# Altium PCB PCB.PcbDoc
Units mm, origin at the board's own origin, x right, y up, seen from the top; angles counter-clockwise.
Board outline 100 x 100 mm, 2 copper layers (Top Layer, Bottom Layer); 68 components, 64 nets, 246 pads, 37 vias.
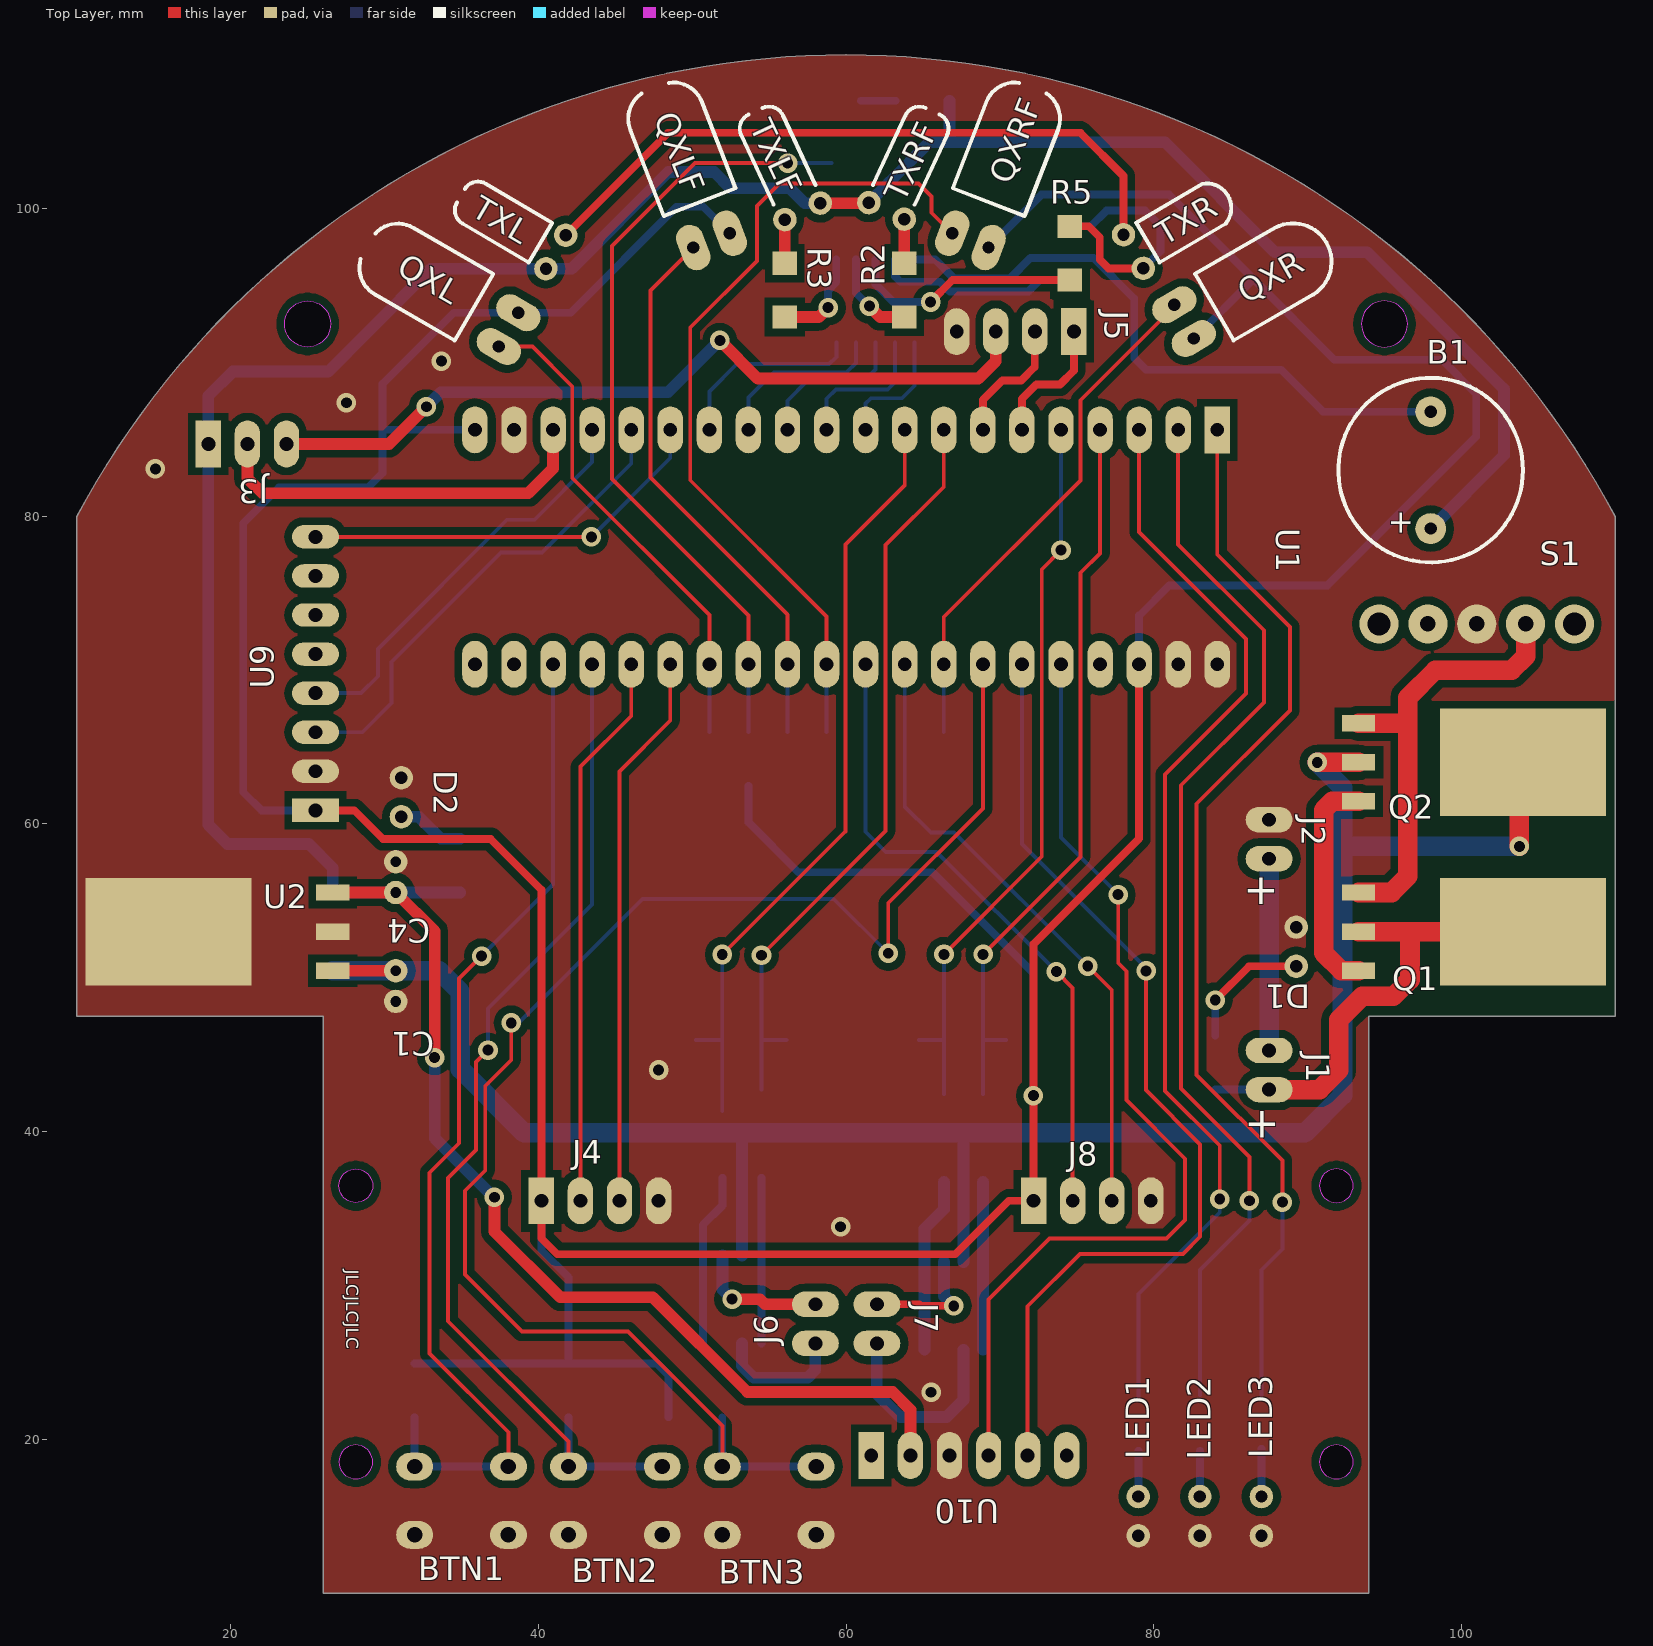
[diagram p0: Top Layer view]
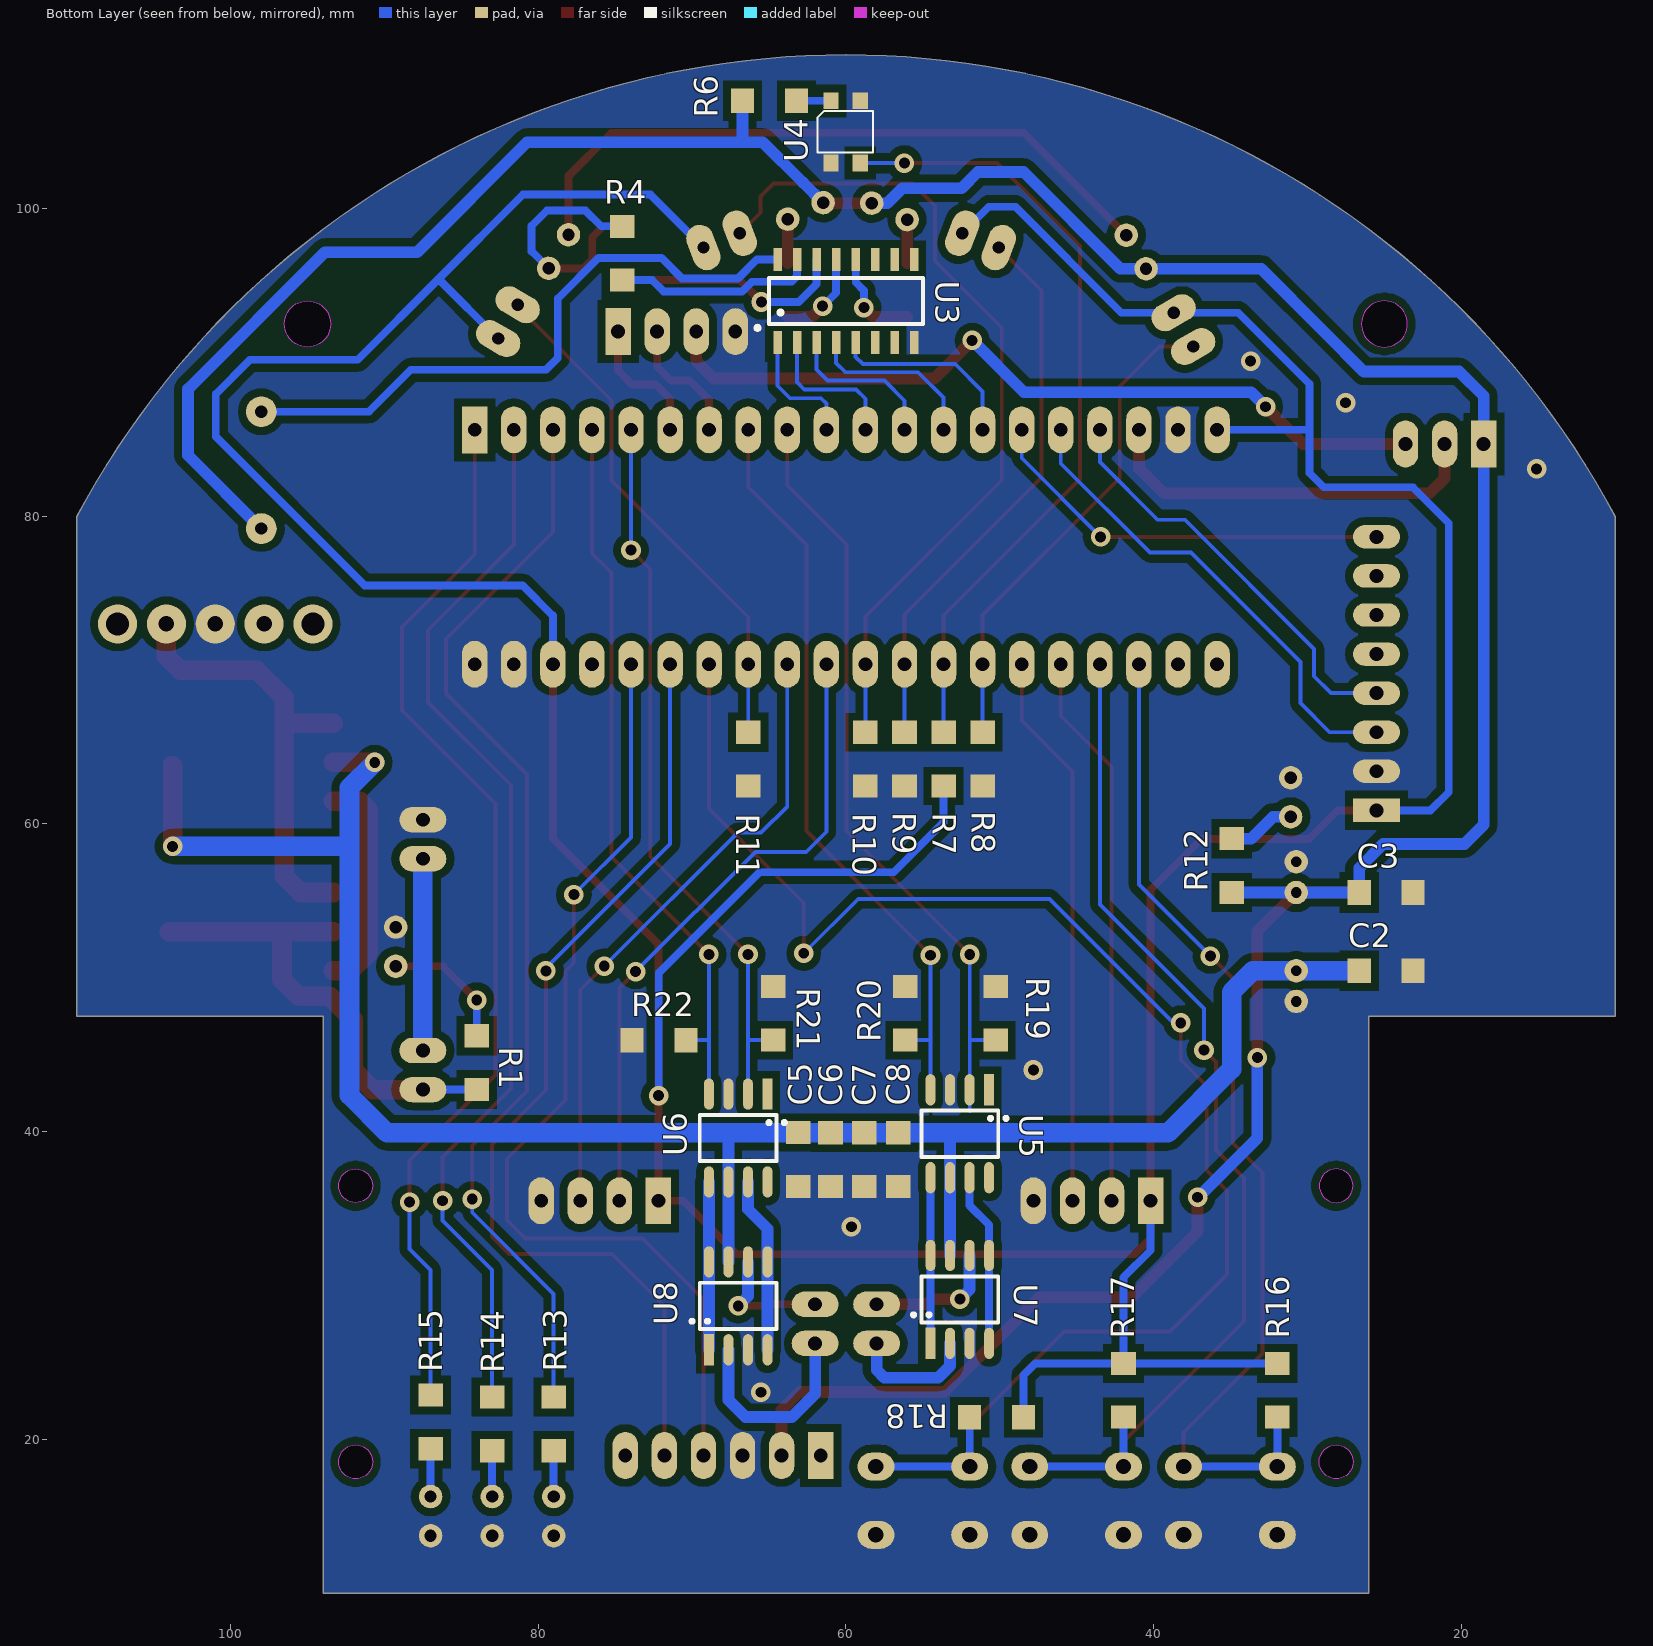
[diagram p1: Bottom Layer view, seen from below]
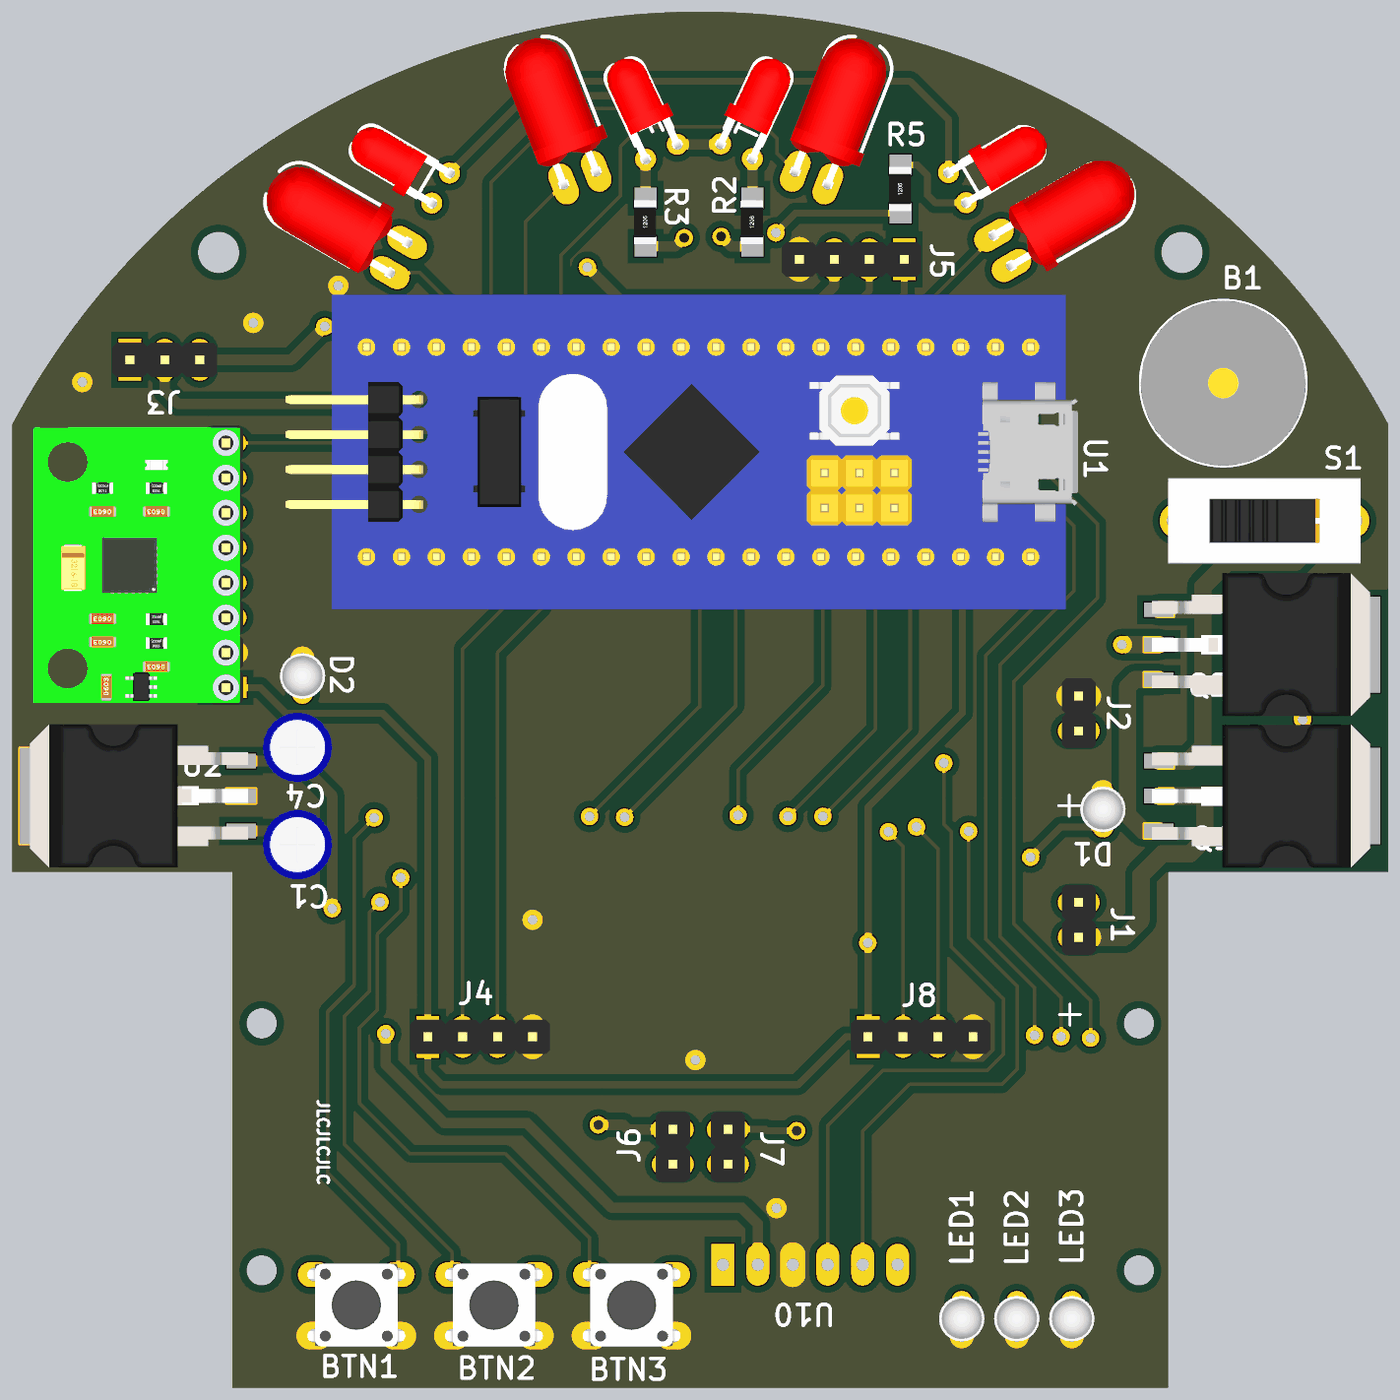
[diagram p2: 3D render of the assembled board from above, using the file's embedded part models]
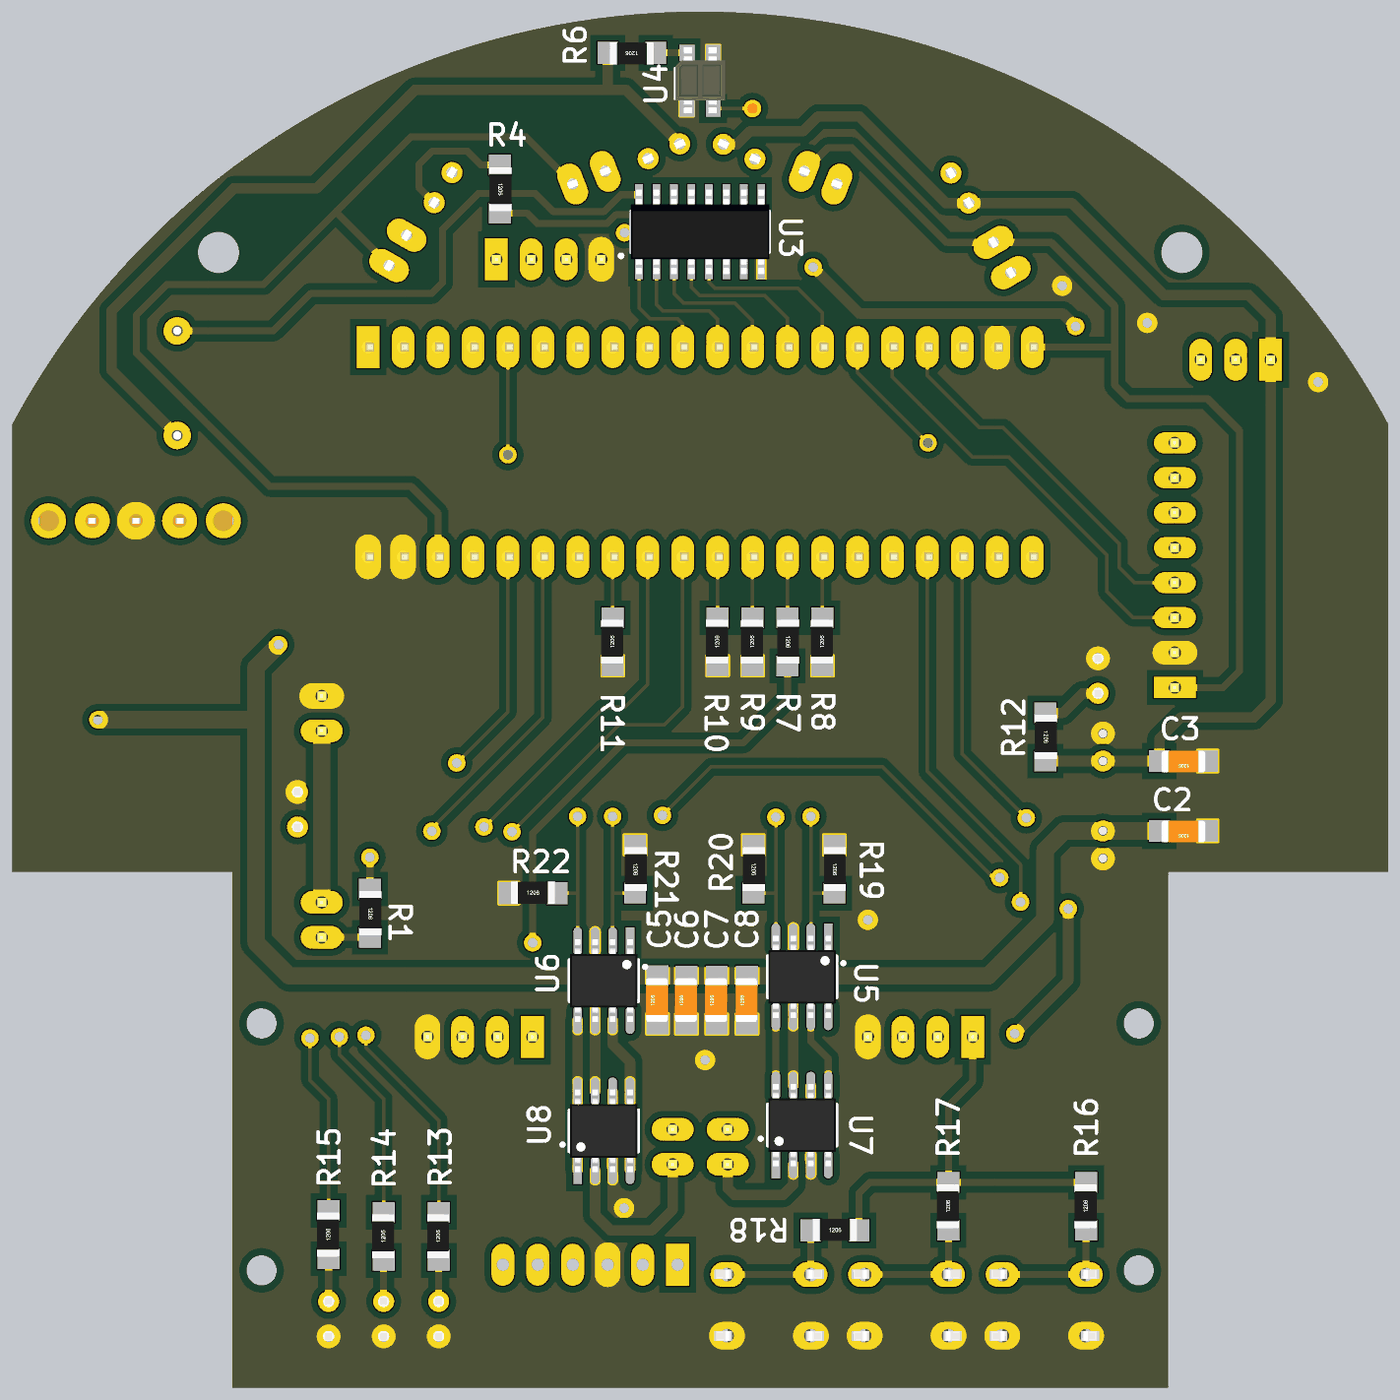
[diagram p3: 3D render of the assembled board from below, using the file's embedded part models]

## Layer stack, top to bottom
Top Solder: solder mask 0.0102, Solder Resist, Dk 3.5
Top Layer: signal copper 0.0356
Dielectric 1: dielectric 0.32, FR-4, Dk 4.8
Bottom Layer: signal copper 0.0356
Bottom Solder: solder mask 0.0102, Solder Resist, Dk 3.5

## Board outline
9.994,47.494 9.994,79.994 cw(c59.994,53.327) 109.994,79.994 109.994,47.494 93.994,47.494 93.994,9.994 25.994,9.994 25.994,47.494
cut-out: 26.494,92.5 cw(c24.994,92.5) 24.994,91 cw(c24.994,92.5) 23.494,92.5 cw(c24.994,92.5) 24.994,94 cw(c24.994,92.5)
cut-out: 93.5,92.5 ccw(c95,92.5) 95,91 ccw(c95,92.5) 96.5,92.5 ccw(c95,92.5) 95,94 ccw(c95,92.5)
cut-out: 27.025,18.525 ccw(c28.125,18.525) 28.125,17.425 ccw(c28.125,18.525) 29.225,18.525 ccw(c28.125,18.525) 28.125,19.625 ccw(c28.125,18.525)
cut-out: 28.125,35.375 cw(c28.125,36.475) 27.025,36.475 cw(c28.125,36.475) 28.125,37.575 cw(c28.125,36.475) 29.225,36.475 cw(c28.125,36.475)
cut-out: 90.775,36.475 ccw(c91.875,36.475) 91.875,35.375 ccw(c91.875,36.475) 92.975,36.475 ccw(c91.875,36.475) 91.875,37.575 ccw(c91.875,36.475)
cut-out: 90.775,18.525 ccw(c91.875,18.525) 91.875,17.425 ccw(c91.875,18.525) 92.975,18.525 ccw(c91.875,18.525) 91.875,19.625 ccw(c91.875,18.525)

## Design rules (kind name [scope] priority, off if disabled: settings)
Clearance [All] p1: gap=0.254 except(0.508: Arc-Poly Track-Poly SMDPad-Poly THPad-Poly Via-Poly Fill-Poly Poly-Poly Poly-Region Poly-Text)
ComponentClearance [All] p1: gap=0.254 collisioncheckmode=3 verticalgap=0 showdistances=FALSE
Height [All] p1: minheight=0 maxheight=100 prefheight=12.7
PolygonConnect [All] p1: connectstyle=Direct reliefconductorwidth=0.254 reliefentries=4 polygonreliefangle="90 Angle" airgapwidth=0.254
RoutingVias [All] p1: holewidth=0.711 width=1.27 viastyle="Through Hole" minholewidth=0.711 minwidth=1.27 maxholewidth=0.711 maxwidth=1.27
SolderMaskExpansion [All] p1: expansion=0.102
Width [All] p1: maxlimit=1.27 minlimit=0.254 preferedwidth=0.762
28 further rules are at their usual default settings.

## Components (designator, comment, footprint, x,y, rotation, side; value= is the part's Value field where it differs from the comment)
B1 "BUZZER" BUZZER-12MM 98,83 r90 top
BTN1 "BUTTON" TACT_SWITCH-SMALL-4PIN 35,16 r180 top
BTN2 "BUTTON" TACT_SWITCH-SMALL-4PIN 45,16 r180 top
BTN3 "BUTTON" TACT_SWITCH-SMALL-4PIN 55,16 r180 top
C1 "CAP-ELEC" CAP-ELEC-5x11x2mm 30.73,49.46 r270 top
C2 "CAP-CER" C1206 24.876,50.46 r0 bottom
C3 "CAP-CER" C1206 24.876,55.54 r0 bottom
C4 "CAP-ELEC" CAP-ELEC-5x11x2mm 30.73,56.54 r90 top
C5 "CAP-CER" C1206 63.1,38.18 r90 bottom
C6 "CAP-CER" C1206 61,38.17 r90 bottom
C7 "CAP-CER" C1206 58.8,38.17 r90 bottom
C8 "CAP-CER" C1206 56.6,38.17 r90 bottom
D1 "LED" LED-3MM-GREEN 89.26,52.02 r270 top
D2 "LED" LED-3MM-GREEN 31.09,61.73 r90 top
J1 "BAT" "HEADER 1x2" 87.5,44 r180 top
J2 "BAT" "HEADER 1x2" 87.5,59 r180 top
J3 "Jumper" "Header 1x3" 18.54,84.7 r90 top
J4 "ENCL" "Header 1x4" 44,35.5 r90 top
J5 "UART" "Header 1x4" 71,92 r270 top
J6 "MOTL" "HEADER 1x2" 58,27.5 r180 top
J7 "MOTR" "HEADER 1x2" 62,27.5 r180 top
J8 "ENCR" "Header 1x4" 76,35.5 r90 top
LED1 "LED" LED-3MM-GREEN 79,15 r270 top
LED2 "LED" LED-3MM-GREEN 83,15 r270 top
LED3 "LED" LED-3MM-GREEN 87,15 r270 top
Q1 "IRF5305S" TO-263 100.946,53 r270 top
Q2 "IRF5305S" TO-263 100.946,64 r270 top
QXL "SFH345FA" LED-5MM-RED-90 38.06,92.13 r240 top
QXLF "SFH345FA" LED-5MM-RED-90 51.25,97.93 r201.3 top
QXR "SFH345FA" LED-5MM-RED-90 81.97,92.65 r120 top
QXRF "SFH345FA" LED-5MM-RED-90 68.08,97.93 r158.7 top
R1 "RES" R1206 84,44.48 r270 bottom
R2 "RES" R1206 63.781,94.7 r90 top
R3 "RES" R1206 56.019,94.7 r90 top
R4 "RES" R1206 74.55,97.1 r270 bottom
R5 "RES" R1206 74.55,97.1 r90 top
R6 "RES" R1206 64.97,107.01 r0 bottom
R7 "RES" R1206 53.65,64.21 r270 bottom
R8 "RES" R1206 51.11,64.21 r90 bottom
R9 "RES" R1206 56.19,64.21 r90 bottom
R10 "RES" R1206 58.73,64.21 r90 bottom
R11 "RES" R1206 66.35,64.21 r90 bottom
R12 "RES" R1206 34.91,57.29 r270 bottom
R13 "RES" R1206 79,21 r90 bottom
R14 "RES" R1206 83,21 r90 bottom
R15 "RES" R1206 87,21.13 r90 bottom
R16 "RES" R1206 31.952,23.18 r90 bottom
R17 "RES" R1206 41.952,23.18 r90 bottom
R18 "RES" R1206 50.202,21.43 r180 bottom
R19 "RES" R1206 50.25,47.69 r270 bottom
R20 "RES" R1206 56.14,47.69 r270 bottom
R21 "RES" R1206 64.73,47.69 r270 bottom
R22 "RES" R1206 72.15,45.94 r180 bottom
S1 "SLIDE-SWITCH" SWITCH 101,73 r180 top
TXL "LED" PHOTO-NPN 41.13,97.18 r59.5 top
TXLF "SFH4555" PHOTO-NPN-2 57.17,99.82 r25 top
TXR "LED" PHOTO-NPN 78.68,97.21 r300.5 top
TXRF "LED" PHOTO-NPN 62.63,99.85 r335 top
U1 "BLUE PILL STM32" BLUE_PILL 60,78 r270 top
U2 "LM2940" TO-263 19,53 r90 top
U3 "ULN2003A" SOIC-16-NARROW 60,94 r90 bottom
U4 "QRE1113GR" QRE1113GR 60,105 r270 bottom
U5 "4427" SOIC-8 52.595,39.857 r270 bottom
U6 "4427" SOIC-8 67,39.58 r270 bottom
U7 "ZXMHC3F381N8" SOIC-8 52.595,29.088 r90 bottom
U8 "ZXMHC3F381N8" SOIC-8 67,28.668 r90 bottom
U9 "GY-521" GY-521 19.15,69.77 r180 top
U10 "HC-05" HC-05 67.99,18.94 r90 top

## Footprints (in the part's own frame and the unit in brackets; to place one, negate y for a bottom-side part, rotate by r counter-clockwise, add the part's x,y. Pads: shape width x height; smd on the part's side, far side on the other; paste and mask are expansions set on the pad)
BLUE_PILL [mil]
  rect 120x65 hole 35.43: 1(-300,950)
  oval 120x65 hole 35.43: 2(-300,850) 3(-300,750) 4(-300,650) 5(-300,550) 6(-300,450) 7(-300,350) 8(-300,250) 9(-300,150) 10(-300,50) 11(-300,-50) 12(-300,-150) 13(-300,-250) 14(-300,-350) 15(-300,-450) 16(-300,-550) 17(-300,-650) 18(-300,-750) 19(-300,-850) 20(-300,-950) 21(300,-950) 22(300,-850) 23(300,-750) 24(300,-650) 25(300,-550) 26(300,-450) 27(300,-350) 28(300,-250) 29(300,-150) 30(300,-50) 31(300,50) 32(300,150) 33(300,250) 34(300,350) 35(300,450) 36(300,550) 37(300,650) 38(300,750) 39(300,850) 40(300,950)
  body extent -450,-1186 450,1080, height 638
BUZZER-12MM [mm]
  round 2 hole 0.8: 1(-3.8,0) 2(3.8,0)
  silkscreen extent -6,-6 6,6, body extent -6,-6 6,6, height 9.5
C1206 [mm]
  rect 1.5x1.6 smd: 1(-1.75,0) 2(1.75,0)
  body extent -1.6,-0.76 1.6,0.84, height 1.26
CAP-ELEC-5x11x2mm [mm]
  round 1.524 hole 0.7: 1(-1,0) 2(1,0)
  body extent -2.53,-2.53 2.52,2.53, height 11.53
GY-521 [mil]
  rect 120x60 hole 35.43: 1(-250,350)
  oval 120x60 hole 35.43: 2(-250,250) 3(-250,150) 4(-250,50) 5(-250,-50) 6(-250,-150) 7(-250,-250) 8(-250,-350)
  body extent -300,-400 300,400, height 220
HC-05 [mil]
  rect 120x65 hole 35.43: 1(0,250)
  oval 120x65 hole 35.43: 2(0,150) 3(0,50) 4(0,-50) 5(0,-150) 6(0,-250)
  body extent -217,-317 15,317, height 1496
"HEADER 1x2" [mil]
  oval 120x65 hole 35.43: 1(0,50) 2(0,-50)
  body extent -49,-100 49,100, height 336
"Header 1x3" [mil]
  rect 120x65 hole 35.43: 1(0,0)
  oval 120x65 hole 35.43: 2(0,-100) 3(0,-200)
  body extent -49,-250 49,50, height 336
"Header 1x4" [mil]
  rect 120x65 hole 35.43: 1(0,150)
  oval 120x65 hole 35.43: 2(0,50) 3(0,-50) 4(0,-150)
  body extent -49,-200 49,200, height 336
LED-3MM-GREEN [mil]
  round 60 hole 31.5: A(-50,0) K(50,0)
  body extent -66,-65 64,65, height 217
LED-5MM-RED-90 [mil]
  oval 70x120 hole 31.5: A(-50,0) K(50,0)
  body extent -116,-421 96,10, height 234
PHOTO-NPN [mil]
  round 60 hole 31.5: C(-50,0) E(50,0)
  body extent -76,-10 65,287, height 155
PHOTO-NPN-2 [mil]
  round 60 hole 31.5: C(50,0) E(-50,0)
  body extent -65,-9 76,289, height 155
QRE1113GR [mm]
  rect 1.1x1 smd: A(-2.01,-0.97) C(2.04,0.94) E(-2.01,0.94) K(2.04,-0.97)
  silkscreen extent -1.35,-1.85 1.35,1.75, body extent -2.4,-1.8 2.4,1.8, height 1.83
R1206 [mm]
  rect 1.5x1.6 smd: 1(-1.75,0) 2(1.75,0)
  body extent -1.6,-0.76 1.6,0.84, height 0.68
SOIC-8 [mil]
  rect 80x25 smd: 1(-112.5,75)
  oval 80x25 smd: 2(-112.5,25) 3(-112.5,-25) 4(-112.5,-75) 5(112.5,-75) 6(112.5,-25) 7(112.5,25) 8(112.5,75)
  silkscreen extent -59,-98 59,122, body extent -118,-96 118,96, height 69
SOIC-16-NARROW [mm]
  rect 1.5x0.55 smd: 1(-2.7,4.445) 2(-2.7,3.175) 3(-2.7,1.905) 4(-2.7,0.635) 5(-2.7,-0.635) 6(-2.7,-1.905) 7(-2.7,-3.175) 8(-2.7,-4.445) 9(2.7,-4.445) 10(2.7,-3.175) 11(2.7,-1.905) 12(2.7,-0.635) 13(2.7,0.635) 14(2.7,1.905) 15(2.7,3.175) 16(2.7,4.445)
  silkscreen extent -2,-5 1.5,6, body extent -3.08,-5.04 3.08,5.04, height 2
SWITCH [mm]
  round 2.54 hole 1: 1(-3.175,0) 2(0,0) 3(3.175,0)
  round 2.54 hole 1.5: 4(-6.35,0) 4(6.35,0)
  body extent -7,-3.1 7,3.1, height 9.65
TACT_SWITCH-SMALL-4PIN [mm]
  oval 2.4x1.8 hole 1: 1(-3.048,2.222) 1(3.048,2.223) 2(-3.048,-2.223) 2(3.048,-2.222)
  body extent -3.99,-3 3.99,3, height 5.15
TO-263 [mil]
  rect 42x85 smd: 1(-100,-300.25) 2(0,-300.25) 3(100,-300.25)
  rect 275x425 smd: 2(0,120.25)
  body extent -204,-320 205,304, height 181

## Part data
B1: library part BUZZER-ACTIVE
J1 J2 J6 J7: library part "Header 1x2"
J3: library part "Header 1x3"
J4 J5 J8: library part "Header 1x4"
Q1 Q2: library part P-MOSFET
QXL QXLF QXR QXRF: library part "PHOTO NPN"
TXLF: library part LED
U9: library part "GY-521 (MPU6050)"

## Via types
v1: diameter 1.27, hole 0.711, Top Layer to Bottom Layer, 37 vias

## Nets (pads, with @x,y where several pads share a name; then routed paths per layer and width w, separated by ;. In a path a pad name is that pad's centre, name@x,y a point inside that pad or via, vN(x,y) a via of type N, cw(c..) or ccw(c..) an arc to the next point about the centre after c; other vN are vias at no path point)
3V3: J4.1 J8.1 QXL.A QXLF.A QXR.A QXRF.A R7.2 R16.2 R17.2 R18.2 U1.20 U1.38 U9.1 | length 324.4
  Top Layer w0.508: U9.1 28.03,60.88 29.9,59.01 36.9,59.01 40.19,55.72 J4.1 40.19,33.06 41.23,32.02 67.09,32.02 70.57,35.5 J8.1 v1@72.19,42.29 ; v1@72.17,42.29 v1(72.17,42.33) ; v1@72.19,42.33 72.19,52.19 79.05,59.05 U1.38
  Bottom Layer w0.508: U9.1 21.99,60.88 20.81,62.06 20.81,79.55 23.14,81.88 28.93,81.88 29.87,82.82 29.87,85.62 ; R16.2 R17.2 ; U1.20 29.87,85.62 ; J4.1 40.19,32.28 41.952,30.518 R17.2 ; R18.2 48.452,24.148 47.67,24.93 R17.2 ; QXLF.A 50.705,100.12 48.98,100.12 42.09,93.23 QXL.A 34.49,93.23 29.87,88.61 29.87,85.62 ; R7.2 53.65,60.1 56.89,56.86 65.62,56.86 72.17,50.31 v1(72.17,42.33) ; QXRF.A 72.705,100.91 81,100.91 86.482,95.428 ; U1.38 79.05,73.54 81.01,75.5 91.29,75.5 100.97,85.18 100.97,87.94 98.74,90.17 91.74,90.17 86.482,95.428 ; QXR.A 86.482,95.428
5V: B1.1 C3.2 C4.1 J3.1 R6.2 R12.2 TXL.C TXLF.C TXRF.C U2.3 U10.2 | length 223.8
  Top Layer w0.762: U2.3 C4.1 33.25,53.02 v1(33.25,44.81) ; v1(37.14,35.73) 37.14,33.5 41.41,29.23 47.43,29.23 53.59,23.07 63.03,23.07 64.18,21.92 U10.2 ; TXLF.C 61.449,100.357 TXRF.C
  Bottom Layer w0.762: v1(33.25,44.81) 33.25,39.56 37.08,35.73 v1(37.14,35.73) ; R12.2 C4.1 C3.2 26.626,57.134 25.06,58.7 19.78,58.7 18.54,59.94 J3.1 18.54,87.82 20.124,89.404 26.324,89.404 28.919,91.999 33.006,96.086 TXL.C 42.156,96.086 48.45,102.38 51.42,102.38 52.48,101.32 56.34,101.32 57.303,100.357 TXLF.C ; TXRF.C 62.789,101.697 65.41,104.318 66.72,104.318 ; R6.2 66.72,104.318 ; B1.1 102.77,83.97 102.77,88.27 93.87,97.17 87.88,97.17 80.732,104.318 66.72,104.318
BTN1: BTN1.2 R16.1 U1.23 | length 66.9
  Top Layer w0.254: v1(36.3,51.41) 34.84,49.95 34.84,39.24 32.92,37.32 32.92,25.58 38.048,20.452 BTN1.2@38.048,18.223
  Bottom Layer w0.254: v1(36.3,51.41) 40.95,56.06 U1.23
  Bottom Layer w0.508: R16.1 31.952,18.223 BTN1.2@38.048,18.223
BTN2: BTN2.2 R17.1 U1.24 | length 68.6
  Top Layer w0.254: v1(36.72,45.29) 35.94,44.51 35.94,38.79 34.13,36.98 34.13,27.67 41.952,19.848 BTN2.2@41.952,18.223
  Bottom Layer w0.254: v1(36.72,45.29) 36.72,48 43.49,54.77 U1.24
  Bottom Layer w0.508: R17.1 41.952,18.223 BTN2.2@48.048,18.223
BTN3: BTN3.2 R18.1 U1.34 | length 101
  Top Layer w0.254: v1(38.23,47.06) 38.23,44.65 36.54,42.96 36.54,37.47 35.22,36.15 35.22,30.7 38.92,27 45.81,27 51.952,20.858 BTN3.2@51.952,18.223 ; v1(62.74,51.59) 62.74,54.85 68.89,61 U1.34
  Bottom Layer w0.254: v1(38.23,47.06) 38.69,47.06 46.76,55.13 59.2,55.13 v1(62.74,51.59)
  Bottom Layer w0.508: R18.1 51.952,18.223 BTN3.2@58.048,18.223
BUZZER: U1.10 U3.1 | length 8.2
  Bottom Layer w0.254: U1.10 61.27,87.32 61.62,87.67 63.63,87.67 64.445,88.485 U3.1
CNY: R7.1 U1.28 U4.C | length 51.8
  Top Layer w0.254: U1.28 53.65,73.56 44.79,82.42 44.79,97.57 50.18,102.96 v1(56.2,102.96)
  Bottom Layer w0.254: R7.1 U1.28 ; v1(56.2,102.96) U4.C
ENCL_A: J4.2 U1.25 | length 36.2
  Top Layer w0.254: J4.2 42.73,63.72 46.03,67.02 U1.25
ENCL_B: J4.3 U1.26 | length 36.2
  Top Layer w0.254: J4.3 45.27,63.41 48.57,66.71 U1.26
ENCR_A: J8.2 U1.31 | length 42.4
  Top Layer w0.254: v1(73.67,50.4) 74.73,49.34 J8.2
  Bottom Layer w0.254: U1.31 61.27,59.49 62.58,58.18 65.89,58.18 v1(73.67,50.4)
ENCR_B: J8.3 U1.32 | length 41.3
  Top Layer w0.254: v1(75.71,50.75) 77.27,49.19 J8.3
  Bottom Layer w0.254: U1.32 63.81,61.14 65.51,59.44 67.02,59.44 v1(75.71,50.75)
GND: BTN1.1 BTN2.1 BTN3.1 C1.2 C2.1 C3.1 C4.2 C5.1 C6.1 C7.1 C8.1 D1.A D2.K J2.2 J4.4 J5.4 J8.4 LED1.K LED2.K LED3.K R8.1 R9.1 R10.1 R11.1 R19.1 R20.1 R21.1 R22.1 S1.2 U1.19 U1.39 U1.40 U2.2 U3.8 U4.E U4.K U5.3 U6.3 U7.3 U8.3 U9.2 U10.3
  other v1: 65.53,23.05 59.64,33.81 47.81,44 15.09,83.08 27.51,87.38 33.69,90.08
LED1: R13.2 U1.3 | length 71.6
  Top Layer w0.254: U1.3 79.05,78.98 86.01,72.02 86.01,68.48 80.74,63.21 80.74,42.63 84.29,39.08 v1(84.29,35.61)
  Bottom Layer w0.254: R13.2 79,29.44 84.29,34.73 v1(84.29,35.61)
LED2: R14.2 U1.2 | length 70.4
  Top Layer w0.254: U1.2 81.59,78.16 87.16,72.59 87.16,67.89 81.78,62.51 81.78,42.79 86.22,38.35 v1(86.22,35.5)
  Bottom Layer w0.254: R14.2@83,22.88 83,31 86.22,34.22 v1(86.22,35.5)
LED3: R15.2 U1.1 | length 70.1
  Top Layer w0.254: U1.1 84.13,77.51 88.85,72.79 88.85,67.37 82.79,61.31 82.79,43.68 88.36,38.11 v1(88.36,35.41)
  Bottom Layer w0.254: R15.2 87,31 88.36,32.36 v1(88.36,35.41)
MOTL_DIR: R19.2 U1.9 U5.2 | length 50.9
  Top Layer w0.254: v1(51.95,51.51) 59.93,59.49 59.96,59.49 59.96,78.16 63.81,82.01 U1.9
  Bottom Layer w0.254: R19.2 51.95,45.94 ; 51.95,41.34 51.95,45.94 ; v1(51.95,51.51) 51.95,45.94
MOTL_PWM: R20.2 U1.8 U5.4 | length 49.5
  Top Layer w0.254: v1(54.5,51.46) 62.57,59.53 62.57,78.13 66.35,81.91 U1.8
  Bottom Layer w0.254: U5.4 54.5,45.94 ; v1(54.5,51.46) 54.5,45.94 ; R20.2 54.5,45.94
MOTR_DIR: R22.2 U1.4 U6.4 | length 47.8
  Top Layer w0.254: v1(68.905,51.515) 75.25,57.86 75.25,76.33 76.51,77.59 U1.4
  Bottom Layer w0.254: U6.4 68.905,45.94 ; v1(68.905,51.515) 68.905,45.94 ; R22.2 68.905,45.94
MOTR_PWM: R21.2 U1.5 U6.2 | length 48
  Top Layer w0.254: v1(66.365,51.515) 72.72,57.87 72.72,76.55 v1(73.97,77.8)
  Bottom Layer w0.254: R21.2 66.365,45.94 ; U6.2 66.365,45.94 ; v1(66.365,51.515) 66.365,45.94 ; v1(73.97,77.8) U1.5
MPU_INT: U1.15 U9.8 | length 27
  Top Layer w0.254: U9.8 v1(43.44,78.66)
  Bottom Layer w0.254: v1(43.44,78.66) 48.57,83.79 U1.15
NetB1_2: B1.2 U3.16 | length 41
  Bottom Layer w0.508: U3.16 65.78,96.7 67.02,95.46 70.65,95.46 71.98,96.79 76.09,96.79 78.73,94.15 78.73,90.29 79.5,89.52 88.29,89.52 91.01,86.8 B1.2
NetD1_K: D1.K R1.1 | length 8.5
  Top Layer w0.508: v1(84,48.55) 86.2,50.75 D1.K
  Bottom Layer w0.508: R1.1 v1(84,48.55)
NetD2_A: D2.A R12.1 | length 4.4
  Bottom Layer w0.762: D2.A 32.23,60.46 33.65,59.04 R12.1
NetJ1_1: J1.1 Q1.2 R1.2 | length 31.3
  Top Layer w1.27: J1.1 90.78,42.73 92.02,43.97 92.02,47.26 93.55,48.79 95.57,48.79 96.66,49.88 96.66,53 ; Q1.2@93.319,53 96.66,53 ; Q1.2@104,53 96.66,53
  Bottom Layer w0.508: R1.2 J1.1
NetJ1_2: J1.2 J2.1 | length 12.5
  Bottom Layer w1.27: J1.2 J2.1
NetJ3_2: J3.2 U1.18 | length 25.7
  Top Layer w0.762: J3.2 21.08,82.48 22.06,81.5 39.34,81.5 40.95,83.11 U1.18
NetJ6_1: J6.1 U7.2 | length 8.5
  Bottom Layer w0.762: U7.2 53.23,24.77 54,24 57.5,24 58,24.5 J6.1
NetJ6_2: J6.2 U7.6 | length 8.7
  Top Layer w0.762: v1(52.59,29.1) 54.4,29.1 54.73,28.77 J6.2
  Bottom Layer w0.762: U7.6 51.96,29.73 v1(52.59,29.1)
NetJ7_1: J7.1 U8.2 | length 13.3
  Bottom Layer w0.762: J7.1 62,22.96 63.52,21.44 66.52,21.44 67.635,22.555 U8.2
NetJ7_2: J7.2 U8.6 | length 8.2
  Top Layer w0.508: J7.2 64.73,28.77 64.83,28.67 v1(67,28.67)
  Bottom Layer w0.762: U8.6 66.365,29.305 v1(67,28.67)
NetLED1_A: LED1.A R13.1 | length 3
  Bottom Layer w0.508: LED1.A R13.1
NetLED2_A: LED2.A R14.1 | length 3
  Bottom Layer w0.508: LED2.A R14.1
NetLED3_A: LED3.A R15.1 | length 3.1
  Bottom Layer w0.508: LED3.A R15.1
NetQ1_G: Q1.1 Q2.1 S1.1 | length 29.3
  Top Layer w1.27: Q1.1 95.46,55.54 96.52,56.6 96.52,66.54 ; Q2.1 96.52,66.54 ; S1.1 104.175,70.895 103.27,69.99 98.3,69.99 96.52,68.21 96.52,66.54
NetQ1_S: Q1.3 Q2.3 | length 14.6
  Top Layer w1.27: Q1.3 92.19,50.46 91.04,51.61 91.04,60.9 91.6,61.46 Q2.3
NetR2_1: R2.1 U3.13 | length 6
  Top Layer w0.762: v1(61.51,93.66) 62.22,92.95 R2.1
  Bottom Layer w0.508: U3.13 60.635,94.535 v1(61.51,93.66)
NetR2_2: R2.2 TXRF.E | length 2.9
  Top Layer w0.762: R2.2 TXRF.E
NetR3_1: R3.1 U3.12 | length 6.4
  Top Layer w0.762: R3.1 58.21,92.95 v1@58.83,93.57
  Bottom Layer w0.508: v1(58.83,93.56) 58.83,94.68 59.365,95.215 U3.12
NetR3_2: R3.2 TXLF.E | length 2.8
  Top Layer w0.762: R3.2 TXLF.E
NetR4_1: R4.1 R5.2 TXR.E | length 16.7
  Top Layer w0.508: R5.2 75.77,98.85 76.49,98.13 76.49,96.69 77.064,96.116 TXR.E
  Bottom Layer w0.508: R4.1 75.91,98.85 76.93,99.87 79.44,99.87 80.43,98.88 80.43,97.221 TXR.E
NetR4_2: R4.2 U3.15 | length 13.2
  Bottom Layer w0.508: U3.15 63.175,95.595 63.52,95.25 66.106,95.25 66.748,94.608 71.848,94.608 72.59,95.35 R4.2
NetR5_1: R5.1 U3.14 | length 15.3
  Top Layer w0.508: v1(65.49,93.93) 66.91,95.35 R5.1
  Bottom Layer w0.508: U3.14 61.905,95.095 63.07,93.93 v1(65.49,93.93)
NetR6_1: R6.1 U4.A | length 2.3
  Bottom Layer w0.508: U4.A R6.1
NetTXL_K: TXL.E TXR.C | length 44
  Top Layer w0.508: TXL.E 48.43,104.93 75.23,104.93 78.035,102.125 TXR.C
NetU5_5: U5.5 U7.1 U7.8 | length 10.8
  Bottom Layer w0.508: U7.1 U7.8 U5.5
NetU5_7: U5.7 U7.4 U7.5 | length 11.3
  Bottom Layer w0.508: U7.4 U7.5 50.69,33.92 51.96,35.19 U5.7
NetU6_5: U6.5 U8.1 U8.8 | length 10.9
  Bottom Layer w0.762: U8.1 U8.8 U6.5
NetU6_7: U6.7 U8.4 U8.5 | length 11.4
  Bottom Layer w0.762: U8.4 U8.5 65.095,33.683 66.365,34.953 U6.7
QXL: QXL.K R8.2 U1.27 | length 32
  Top Layer w0.254: QXL.K 39.61,91.03 42.2,88.44 42.2,82.49 51.11,73.58 U1.27
  Bottom Layer w0.254: R8.2 U1.27
QXLF: QXLF.K R9.2 U1.29 | length 36.4
  Top Layer w0.254: QXLF.K 47.28,94.682 47.28,82.51 56.19,73.6 U1.29
  Bottom Layer w0.254: R9.2 U1.29
QXR: QXR.K R11.2 U1.33 | length 34
  Top Layer w0.254: U1.33 66.35,73.45 75.23,82.33 75.23,87.54 81.335,93.645 QXR.K
  Bottom Layer w0.254: R11.2 U1.33
QXRF: QXRF.K R10.2 U1.30 | length 55
  Top Layer w0.254: U1.30 58.73,73.48 49.87,82.34 49.87,92.27 54.2,96.6 54.2,100.17 55.67,101.64 64.72,101.64 65.56,100.8 65.56,99.728 QXRF.K
  Bottom Layer w0.254: R10.2 U1.30
RX_BT: U1.36 U10.4 | length 64.5
  Top Layer w0.254: U10.4 69.26,29.08 73.23,33.05 80.84,33.05 82.04,34.25 82.04,38.23 78.23,42.04 78.23,50.42 77.69,50.96 v1(77.69,55.4)
  Bottom Layer w0.254: U1.36 73.97,59.12 v1(77.69,55.4)
RX_PROG: J5.2 U1.7 | length 8.5
  Top Layer w0.508: U1.7 68.89,87.56 70.16,88.83 71.39,88.83 72.27,89.71 J5.2
SCL_MPU: U1.16 U9.3 | length 31.9
  Bottom Layer w0.254: U9.3 28.56,65.96 30.45,67.85 30.45,70.52 37.57,77.64 40.24,77.64 46.03,83.43 46.03,85.112 45.82,85.112 45.522,85.41 U1.16@45.522,85.62
SDA_MPU: U1.17 U9.4 | length 27.3
  Bottom Layer w0.254: U9.4 28.46,68.5 29.56,69.6 29.56,71.37 37.962,79.772 39.732,79.772 43.49,83.53 U1.17
TX_BT: U1.35 U10.5 | length 64.8
  Top Layer w0.254: U10.5 71.8,28.64 75.2,32.04 81.9,32.04 83.02,33.16 83.02,39.17 79.5,42.69 v1(79.5,50.44)
  Bottom Layer w0.254: U1.35 71.43,58.7 79.5,50.63 v1(79.5,50.44)
TX_PROG: J5.1 U1.6 | length 8.7
  Top Layer w0.508: U1.6 71.43,87.63 72.37,88.57 73.91,88.57 74.81,89.47 J5.1
TX_SIDE: U1.11 U3.2 | length 9.5
  Bottom Layer w0.254: U1.11 58.73,87.64 59.34,88.25 62.71,88.25 63.175,88.715 U3.2
TX_SIDE_H: U1.12 U3.3 | length 10.2
  Bottom Layer w0.254: U1.12 56.19,87.51 57.5,88.82 61.19,88.82 61.905,89.535 U3.3
TXLF: U1.14 U3.5 | length 12.6
  Bottom Layer w0.254: U1.14 51.11,88.11 52.89,89.89 58.9,89.89 59.365,90.355 U3.5
TXRF: U1.13 U3.4 | length 11.3
  Bottom Layer w0.254: U1.13 53.65,87.71 55.3,89.36 60.02,89.36 60.635,89.975 U3.4
UART_5V: J3.3 J5.3 | length 52.3
  Top Layer w0.762: J3.3 30.29,84.7 v1(32.71,87.12) ; v1(51.79,91.43) 54.27,88.95 68.6,88.95 69.73,90.08 J5.3
  Bottom Layer w0.762: v1(32.71,87.12) 33.65,88.06 48.42,88.06 v1(51.79,91.43)
VBAT: C1.1 C2.2 C5.2 C6.2 C7.2 C8.2 Q2.2 U2.1 U5.6 U6.6 U7.7 U8.7 | length 136.1
  Top Layer w0.762: U2.1 C1.1 ; Q2.2@103.77,63.77 Q2.2@104,64
  Top Layer w1.27: v1(90.63,64) Q2.2@93.319,64 ; v1(103.77,58.54) Q2.2@103.77,63.77
  Bottom Layer w0.762: U7.7 U5.6 53.23,39.92 ; U8.7 U6.6 67.635,39.5
  Bottom Layer w1.27: C2.2 C1.1 33.54,50.46 34.93,49.07 34.93,44.06 39.07,39.92 53.23,39.92 C8.2 C7.2 C6.2 89.83,39.92 92.27,42.36 92.27,58.54 ; v1(90.63,64) 92.27,62.36 92.27,58.54 ; v1(103.77,58.54) 92.27,58.54
pads on no net: S1.3 S1.4 U1.21 U1.22 U1.37 U3.6 U3.7 U3.9 U3.10 U3.11 U5.1 U5.8 U6.1 U6.8 U9.5 U9.6 U9.7 U10.1 U10.6

## Polygon pours and split planes (outlines as drawn)
GND on Top Layer "T-GND" (solid, remove dead copper, pour order 2): 9.994,47.494 9.994,79.994 cw(c59.994,53.327) 109.994,79.994 109.994,47.494 93.994,47.494 93.994,9.994 25.994,9.994 25.994,47.494
GND on Bottom Layer "B-GND" (solid, remove dead copper, pour order 0): 9.994,47.494 9.994,79.994 cw(c59.994,53.327) 109.994,79.994 109.994,47.494 93.994,47.494 93.994,9.994 25.994,9.994 25.994,47.494

## Silkscreen, mask and mechanical layers (free items; w line width, h text height)
Top Overlay:
  lines w0.254: 28.444,96.737 ccw(c30.359,96.159) 29.359,94.427 34.555,91.427 37.055,95.757 31.859,98.757 ccw(c30.859,97.025) 29.401,98.394 ; 34.703,100.403 ccw(c35.565,99.896) 35.057,99.034 39.365,96.496 40.888,99.081 36.58,101.619 ccw(c36.072,100.757) 35.211,101.265 ; 46.707,107.484 ccw(c47.839,105.835) 45.975,105.11 48.15,99.518 52.81,101.331 50.635,106.923 ccw(c48.771,106.198) 48.492,108.178 ; 53.661,106.112 ccw(c54.084,105.206) 53.178,104.783 55.291,100.251 ; 54.568,106.534 cw(c54.99,105.628) 55.897,106.051 58.01,101.519 ; 61.736,101.519 63.849,106.051 cw(c64.756,105.628) 65.178,106.534 ; 64.455,100.251 66.568,104.783 ccw(c65.662,105.206) 66.085,106.112 ; 71.254,108.178 ccw(c70.975,106.198) 69.111,106.923 66.936,101.331 71.596,99.518 73.771,105.11 ccw(c71.907,105.835) 73.039,107.484 ; 78.858,99.081 83.166,101.619 cw(c83.432,100.035) 84.689,99.034 80.381,96.496 78.858,99.081 ; 82.691,95.757 87.887,98.757 cw(c89.056,96.545) 90.387,94.427 85.191,91.427 82.691,95.757
  text "+" at 88.12,56.51 h2 r180
  text "+" at 88.18,41.32 h2 r180
  text "JLCJLCJLC" at 27.5,31 h0.8 r270
Mechanical 1:
  circle w0.254: c91.875,36.475 r1.1
  circle w0.254: c91.875,18.525 r1.1
  circle w0.254: c28.125,18.525 r1.1
  circle w0.254: c28.125,36.475 r1.1
  circle w0.254: c24.994,92.5 r1.5
  circle w0.254: c95,92.5 r1.5
  lines w0.254: 109.994,79.994 ccw(c59.994,53.327) 9.994,79.994 9.994,47.494 25.994,47.494 25.994,10 94,10 94,47.5 110,47.5 110,79.994 ; 146,16.4 150.25,16.4 150.25,20.65 171.2,20.65 171.2,34.35 150.25,34.35 150.25,38.6 146,38.6 ; 150.334,98.889 150.073,96.403 157.434,92.153 159.934,96.483 152.573,100.733 150.55,99.264 ; 167.639,107.358 165.841,105.621 168.748,97.633 173.446,99.344 170.539,107.331 168.045,107.505 ; 180,62.5 180,80 ; 191.955,107.505 189.461,107.331 186.554,99.344 191.252,97.633 194.159,105.621 192.361,107.358 ; 208.25,20.65 209.75,20.65 ; 209.45,99.264 207.427,100.733 200.066,96.483 202.566,92.153 209.927,96.403 209.666,98.889 ; 214,16.4 209.75,16.4 209.75,20.65 ; 214,38.6 209.75,38.6 209.75,34.35 188.8,34.35 188.8,20.65 209.75,20.65 ; 130,47.5 130,80 cw(c180,53.333) 230,80 230,47.5 214,47.5 214,10 146,10 146,47.5 130,47.5 ; 155,36 205,36 205,49.5 155,49.5 155,36 ; 155,51 205,51 205,64.5 155,64.5 155,51
Mechanical 2:
  lines w0.254: 26,16.4 30.25,16.4 30.25,20.65 38,20.65 38,21.5 50,21.5 50,33.5 38,33.5 38,34.35 30.25,34.35 30.25,38.6 26,38.6 ; 60,10 60,110 ; 94,38.6 89.75,38.6 89.75,34.35 82,34.35 82,33.5 70,33.5 70,21.5 83,21.5 83,20.65 89.75,20.65 89.75,16.4 ; 89.75,16.4 94,16.4 89.75,16.4 ; 34.5,37.5 34.5,50.5 85.5,50.5 85.5,37.5 34.5,37.5 ; 34.5,52.5 34.5,65.5 85.5,65.5 85.5,52.5 34.5,52.5

## Text inside footprints (layer, text, board x,y; h text height)
B1: Top Overlay "+" at 96.7,78.7 h1.52 r90